# Altium PCB PROC106B.PcbDoc (part 3 of 8)
Units mil, origin at the board's own origin, x right, y up, seen from the top; angles counter-clockwise.
Board outline 4498.18 x 1060.53 mil, 8 copper layers (Top Layer, GND1, Sig1, PWR1, PWR2, Sig2, GND2, Bottom Layer), stack 69.602 mil thick; 439 components, 327 nets, 1548 pads, 843 vias.
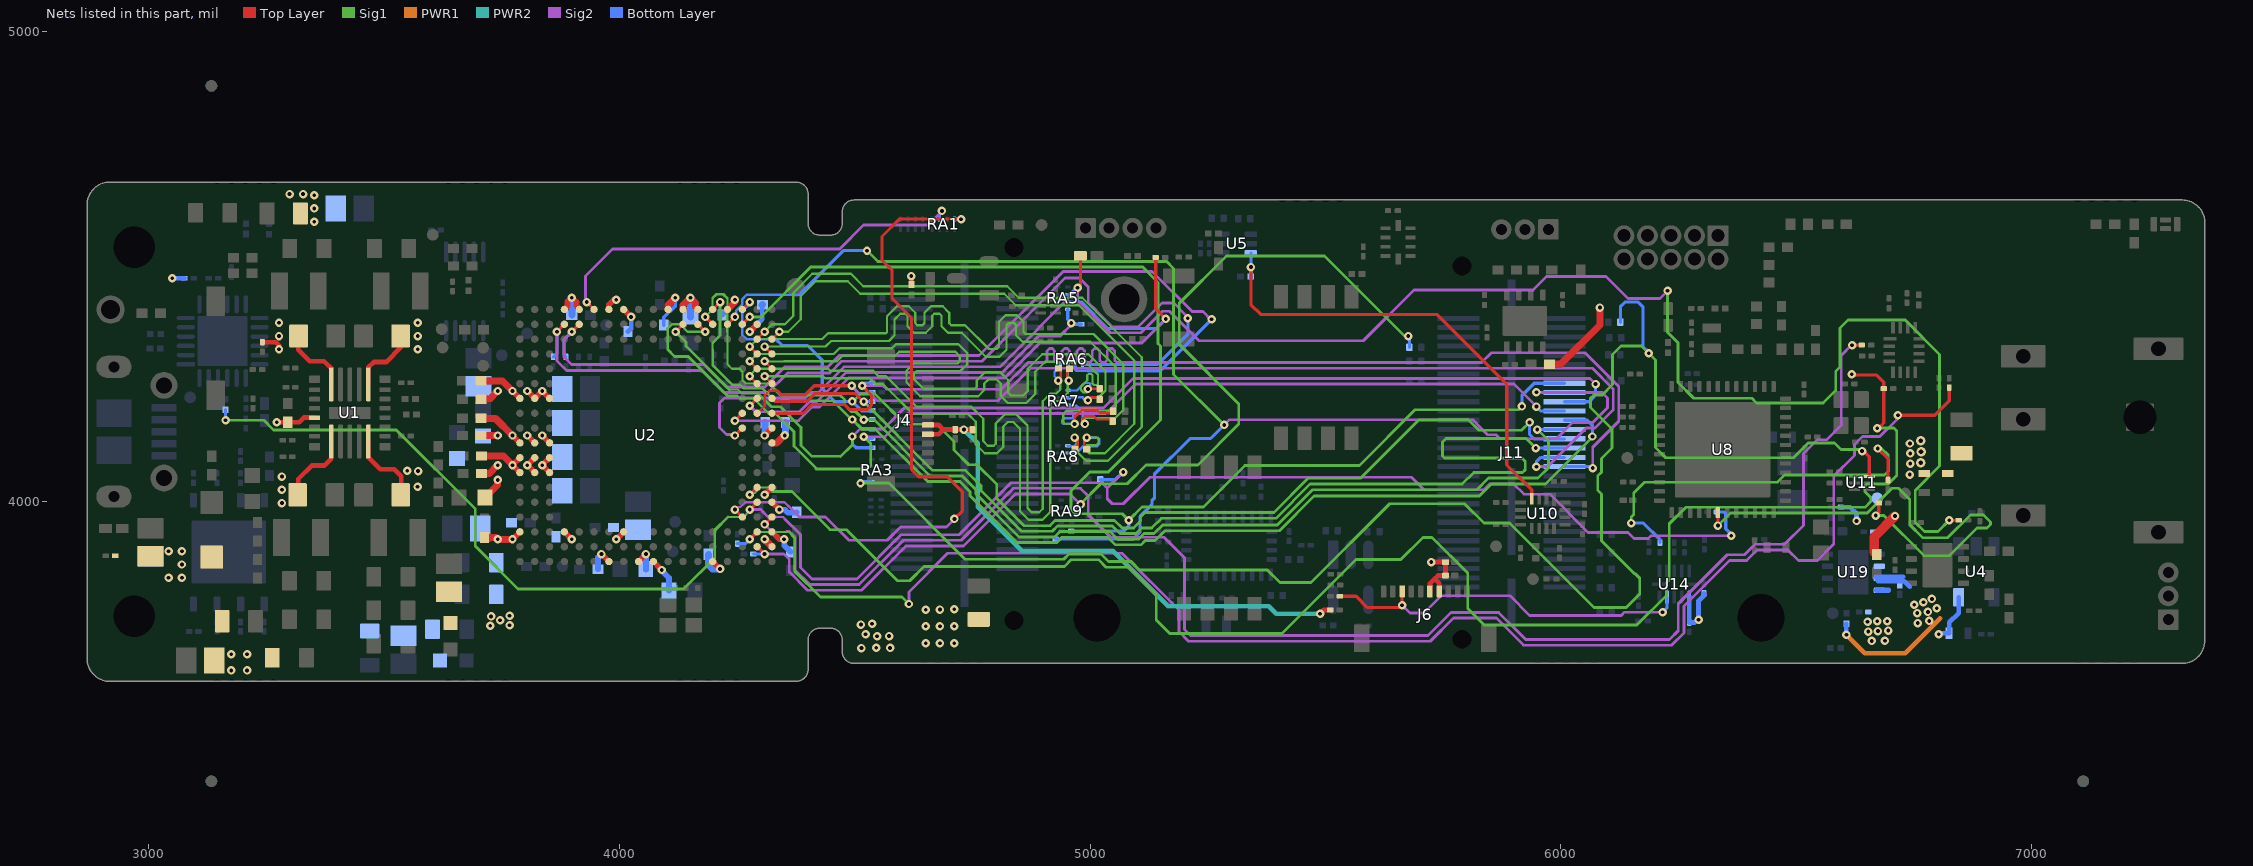
[diagram p9: the nets of this part, all layers, seen from the top]

## Part data (continued)
R52: library part CMP-0090496-1, "Res Thick Film 0201 1.96K Ohm 1% 1/20W 200ppm/C Molded SMD T/R", Digikey Part Number=P122807CT-ND, Manufacturer=Panasonic, Mouser Part Number=667-ERJ-1GNF1961C, Operating Temperature Range="-55°C to +125°C", Power_W=50mW, TempCo=200ppm/°C, Tolerance_%=1%, AEC Grade="Grade 1", AEC Qualified=Yes, ComponentLink1Description=Datasheet, ComponentLink1URL=https://industrial.panasonic.com/cdbs/www-data/pdf/RDA0000/AOA0000C304.pdf, DataSheet=https://industrial.panasonic.com/cdbs/www-data/pdf/RDA0000/AOA0000C304.pdf, Datasheet Path=datasheets/Res-ERJ-1GNF1961C.pdf, Digikey Description="RES SMD 1.96K OHM 1% 1/20W 0201", helpURL=https://upverter.com/upn/revision/9b6026d5b91f25ae/, Lead Free=Yes, Mouser Description="Res Thick Film 0201 1.96K Ohm 1% 0.05W ±200ppm/°C Molded SMD T/R", PackageReference=0201, Part Number=ERJ-1GNF1961C, PartNumber=ERJ-1GNF1961C, Res_ohm=1.96k, RoHS=TRUE, Series=ERJ, SizeZ_mm=0.26mm, Supplier 1=Digikey, Supplier 2=Mouser, Supplier Part Number 1=P122807CT-ND, Supplier Part Number 2=667-ERJ-1GNF1961C, Technology="Thick Film", VDC_V=25V
R53 R54 R55 R56: library part CMP-0026363-2, "RES, 3.83, 1%, 0.063 W, AEC-Q200 Grade 0, 0402", Manufacturer=Vishay-Dale, Power_W=63mW, Supplier Part Number 1=541-3.83LLCT-ND, TempCo="100 ppm/C", Tolerance_%=1%, Value2=0.063W, Value_Code=3R83, ValueDisplayed=3.83, AEC Category=Q200, AEC Grade=0, AEC Qualified=Y, ComponentLink1Description="Datasheet link", ComponentLink1URL=http://www.vishay.com/docs/20035/dcrcwe3.pdf, CompType=Resistor, EIA_Code=E96, MountType=SMT, PackageReference=0402, PartNumber=CRCW04023R83FKED, Res_ohm=3.83, RoHS=E, SizeArea_mm2=0.5, SizeX_mm=1, SizeY_mm=0.5, SizeZ_mm=0.6, Supplier 1=Digi-Key, Supplier 2=Mouser, Supplier Part Number 2=71-CRCW04023R83FKED, Technology="Thick Film", Value1=1%, VDC_V=50V
R79 R180 R181: library part CMP-0087184-1, "RESISTOR, 0201, 0.05W, 1%, 4K7", Manufacturer="Panasonic Electronic Components", Power_W=50mW, TempCo=200ppm/°C, Tolerance_%=1%, AEC Grade="Grade 1", AEC Qualified=Yes, ComponentLink1Description=Datasheet, ComponentLink1URL=https://industrial.panasonic.com/cdbs/www-data/pdf/RDA0000/AOA0000C304.pdf, PackageReference=0201, PartNumber=ERJ-1GNF4701C, Res_ohm=4.7k, RoHS=TRUE, SizeZ_mm=0.26mm, Symbol Name=SYM-ERJ-1GNF4701C, Technology="Thick Film", VDC_V=25V
R114 R117 R119 R126: library part CMP-0026491-2, "RES, 61.9, 1%, 0.063 W, AEC-Q200 Grade 0, 0402", Manufacturer=Vishay-Dale, Power_W=63mW, Supplier Part Number 1=541-61.9LCT-ND, TempCo="100 ppm/C", Tolerance_%=1%, Value2=0.063W, Value_Code=61R9, ValueDisplayed=61.9, AEC Category=Q200, AEC Grade=0, AEC Qualified=Y, ComponentLink1Description="Datasheet link", ComponentLink1URL=http://www.vishay.com/docs/20035/dcrcwe3.pdf, CompType=Resistor, EIA_Code=E96, MountType=SMT, PackageReference=0402, PartNumber=CRCW040261R9FKED, Res_ohm=61.9, RoHS=E, SizeArea_mm2=0.5, SizeX_mm=1, SizeY_mm=0.5, SizeZ_mm=0.6, Supplier 1=Digi-Key, Supplier 2=Newark, Supplier 3=Mouser, Supplier Part Number 2=52K7198, Supplier Part Number 3=71-CRCW0402-61.9-E3, Technology="Thick Film", Value1=1%, VDC_V=50V
R158 R170 R172: library part CMP-0090499-1, "Res Thick Film 0201 82.5K Ohm 1% 1/20W ±200ppm/°C Molded SMD SMD T/R", Digikey Part Number=P123175CT-ND, Manufacturer=Panasonic, Mouser Part Number=667-ERJ-1GNF8252C, Operating Temperature Range="-55°C to +125°C", Power_W=50mW, TempCo=200ppm/°C, Tolerance_%=1%, AEC Grade="Grade 1", AEC Qualified=Yes, ComponentLink1Description=Datasheet, ComponentLink1URL=https://industrial.panasonic.com/cdbs/www-data/pdf/RDA0000/AOA0000C304.pdf, DataSheet=https://industrial.panasonic.com/cdbs/www-data/pdf/RDA0000/AOA0000C304.pdf, Datasheet Path=datasheets/Res-ERJ-1GNF8252C.pdf, Digikey Description="RES SMD 82.5K OHM 1% 1/20W 0201", helpURL=https://upverter.com/upn/revision/4f118edabd8df0f2/, Lead Free=Yes, Mouser Description="Res Thick Film 0201 82.5K Ohm 1% 1/20W ±200ppm/°C Molded SMD SMD T/R", PackageReference=0201, Part Number=ERJ-1GNF8252C, PartNumber=ERJ-1GNF8252C, Res_ohm=82.5k, RoHS=TRUE, Series=ERJ, SizeZ_mm=0.26mm, Supplier 1=Digikey, Supplier 2=Mouser, Supplier Part Number 1=P123175CT-ND, Supplier Part Number 2=667-ERJ-1GNF8252C, Technology="Thick Film", VDC_V=25V
R159 R171: library part CMP-0090503-1, "Res Thick Film 0201 750 Ohm 5% 0.05W(1/20W) ±200ppm/C Pad SMD Automotive T/R", Digikey Part Number=P123367CT-ND, Manufacturer="Panasonic Electronic Components", Mouser Part Number=667-ERJ-1GNJ751C, Operating Temperature Range="-55°C to +125°C", Power_W=50mW, TempCo=200ppm/°C, Tolerance_%=5%, AEC Grade="Grade 1", AEC Qualified=Yes, ComponentLink1Description=Datasheet, ComponentLink1URL=https://industrial.panasonic.com/cdbs/www-data/pdf/RDA0000/AOA0000C301.pdf, DataSheet=https://industrial.panasonic.com/cdbs/www-data/pdf/RDA0000/AOA0000C301.pdf, Datasheet Path=datasheets/Res-ERJ-1GNJ751C.pdf, Digikey Description="RES SMD 750 OHM 5% 1/20W 0201", helpURL=https://upverter.com/upn/revision/8f71e8ce5b6d0ac2/, Lead Free=Yes, Mouser Description="Thick Film Resistors - SMD 0201 750ohm 5% HalogenFree AEC-Q200", PackageReference=0201, Part Number=ERJ-1GNJ751C, PartNumber=ERJ-1GNJ751C, Res_ohm=750, RoHS=TRUE, Series=ERJ, SizeZ_mm=0.26mm, Supplier 1=Digikey, Supplier 2=Mouser, Supplier Part Number 1=P123367CT-ND, Supplier Part Number 2=667-ERJ-1GNJ751C, Technology="Thick Film", VDC_V=25V
R174 R176: library part CMP-0090498-1, "Res Thick Film 0201 7.87K Ohm 1% 1/20W ±200ppm/°C Molded SMD SMD T/R", Digikey Part Number=P123160CT-ND, Manufacturer=Panasonic, Mouser Part Number=667-ERJ-1GNF7871C, Operating Temperature Range="-55°C to +125°C", Power_W=50mW, TempCo=200ppm/°C, Tolerance_%=1%, AEC Grade="Grade 1", AEC Qualified=Yes, ComponentLink1Description=Datasheet, ComponentLink1URL=https://industrial.panasonic.com/cdbs/www-data/pdf/RDA0000/AOA0000C304.pdf, DataSheet=https://industrial.panasonic.com/cdbs/www-data/pdf/RDA0000/AOA0000C304.pdf, Datasheet Path=datasheets/Res-ERJ-1GNF7871C.pdf, Digikey Description="RES SMD 7.87K OHM 1% 1/20W 0201", helpURL=https://upverter.com/upn/revision/e5a66236bcc50cef/, Lead Free=Yes, Mouser Description="Thick Film Resistors - SMD 0201 7.87Kohm 1% HalogenFree AEC-Q200", PackageReference=0201, Part Number=ERJ-1GNF7871C, PartNumber=ERJ-1GNF7871C, Res_ohm=7.87k, RoHS=TRUE, Series=ERJ, SizeZ_mm=0.26mm, Supplier 1=Digikey, Supplier 2=Mouser, Supplier Part Number 1=P123160CT-ND, Supplier Part Number 2=667-ERJ-1GNF7871C, Technology="Thick Film", VDC_V=25V
RA1 RA2 RA3 RA4 RA5 RA6 RA7 RA8 RA9: library part CMP-0087186-1, "RES ARRAY 4 RES ZERO OHM 0502", Manufacturer="Panasonic Electronic Components", Power_W=100mW, TempCo=-200/+600ppm/°C, Tolerance_%=5%, AEC Qualified=No, ComponentLink1Description=Datasheet, ComponentLink1URL=https://industrial.panasonic.com/cdbs/www-data/pdf/AOC0000/AOC0000C14.pdf, PackageReference=0502, PartNumber=EXB-18VR000X, Res_ohm=0, RoHS=TRUE, SizeZ_mm=0.45mm, Symbol Name=SYM-EXB-18VR000X, Technology="Thick Film", VDC_V=12.5V
S1 S2: library part CMP-0002128-2, "Switch, Slide, SPST 4 poles, SMT", CurrentRating_mA=25A, Manufacturer="CTS Electrocomponents", Supplier Part Number 1=CT2184LPST-ND, Circuit=SPST, ComponentLink1Description="Datasheet URL", ComponentLink1URL=http://www.ctscorp.com/components/Datasheets/218.pdf, CompType=Switch, LatestRevisionDate=2017-03-09, MountType=SMT, Orientation=Horizontal, PackageReference="SW, SMT Half Pitch 4SPST, 5.8x2.7x6.25 mm", PartNumber=218-4LPST, PositionCount=4, Publisher="Texas Instruments", RoHS=Y, Supplier 1=Digi-Key, Supplier 2=Mouser, Supplier Part Number 2=774-2184LPST, SwitchFunction=Off-On, VDC_V=24V
S3: library part CMP-0087181-1, "SWITCH SLIDE DIP SPST 100MA 6V", Manufacturer="Nidec Copal Electronics", Circuit=SPST, ComponentLink1Description=Datasheet, ComponentLink1URL=https://www.nidec-copal-electronics.com/e/catalog/switch/chs.pdf, MountType="Surface Mount", PackageReference=SMT_SW_5MM4_2MM5, PartNumber=CHS-01TA, PositionCount=1, RoHS=TRUE, SizeZ_mm=2.5mm, Symbol Name=SYM-CHS-01TA, VDC_V=6V
SW2 SW3: library part CMP-0002150-2, "SWITCH TACTILE SPST-NO 0.05A 12V", CurrentRating_mA=50A, Manufacturer="Omron Electronic Components", Supplier Part Number 1=SW1020CT-ND, Circuit=SPST-NO, ComponentLink1Description="Datasheet URL", ComponentLink1URL=http://www.components.omron.com/components/web/PDFLIB.nsf/0/2DD3893C7DD33E9E862572900079E9D6/$file/B3U_1110.pdf, CompType=Switch, LatestRevisionDate=2017-03-09, MountType=SMT, Orientation="Top Actuated", PackageReference=3x1.6x2.5mm, PartNumber=B3U-1000P, PositionCount=1, Publisher="Texas Instruments", RoHS=Y, Supplier 1=Digi-Key, Supplier 2=Newark, Supplier 3=Mouser, Supplier Part Number 2=34M5295, Supplier Part Number 3=653-B3U-1000P, SwitchFunction=Off-Mom, VDC_V=12V
TP2 TP3 TP4 TP5 TP6 TP7 TP8 TP9 TP10 TP12 TP13 TP14 TP15 TP16 TP17 TP18 TP19 TP26 TP27 TP46: library part CMP-0078143-3, "TEST POINT.  No entry in BOM.", Manufacturer=N/A, CompType=Testpoint, PackageReference=N/A, PartNumber=N/A
TP11: library part CMP-0003825-1, "1mm Test Point, SMT", Manufacturer=Any, ComponentLink1Description="Datasheet Link", ComponentLink1URL=https://sps06.itg.ti.com/sites/KMS/crossdivteams/altium/docs/ComponentDatasheets/PROBE_TEST_POINT.png, CompType="Test Point", Key=TP_SM_1MM, LatestRevisionDate=2017-03-09, MountType=SMT, PackageReference="1mm Test Point, SMT", PartNumber=TP_SM_1MM, Publisher="Texas Instruments"
TP20: library part CMP-0086474-1, "PC Test Point, Loop Brass, Tin Plating 0.047\" (1.19mm) Hole Diameter Mounting Type", Manufacturer="Keystone Electronics", ComponentLink1Description=Datasheet, ComponentLink1URL=https://www.keyelco.com/product-pdf.cfm?p=1307, ContactFinish=Tin, PackageReference=HDR1, PartNumber=4953, PinCount=1, RoHS=TRUE, Symbol Name=SYM-4953
U1: library part CMP-0079120-2, "4-A + 2.5-A + Two 1.5-A Buck Converters With Integrated Switches, RNF0026C (VQFN-HR-26)", Alternate Manufacturer="Texas Instruments", Alternate PartNumber=LP87524JRNFTQ1, AEC Category=Q200, AEC Qualified=Y, ComponentLink1Description="Datasheet Link", ComponentLink1URL=http://www.ti.com/lit/ds/symlink/lp87524-q1.pdf, ComponentLink2Description="Product Folder", ComponentLink2URL=http://www.ti.com/product/lp87524-q1, CompType=IC, Manufacturer="Texas Instruments", MountType=SMT, PackageDescription=VQFN-HR-26, PackageReference=RNF0026C, PartNumber=LP87524JRNFRQ1, RoHS=Y, SizeArea_mm2=18, SizeAreaWB_mm2=27.5, SizeX_mm=4, SizeY_mm=4.5, SizeZ_mm=0.9
U2: library part CMP-0090288-2, Manufacturer="Texas Instruments", Operating Temperature Range=to, AEC Category=Q200, ComponentLink1Description="Datasheet Link", ComponentLink1URL=http://www.ti.com/lit/ds/symlink/GPN.pdf, ComponentLink2Description="Product Folder", ComponentLink2URL=http://www.ti.com/product/GPN, ComponentLink3Description="Online Datasheet", ComponentLink3URL=http://www.ti.com/product/GPN/datasheet, CompType=IC, Datasheet Path=datasheets/IC-AWR1843AoPBGALP.pdf, helpURL=https://upverter.com/upn/revision/1d9228af6d9453a7/, PackageReference=FCBGA180, Part Number=AWR1843AoPBGALP, PartNumber=AWR1843AoPBGALP, RoHS=UNKNOWN, SizeZ_mm=0.965mm, Standoff Height=0.31mm
U3: library part CMP-0087172-1, "I/O Controller Interface IC USB to Dual UART bridge", Manufacturer="Silicon Labs", ComponentLink1Description=Datasheet, ComponentLink1URL=https://www.silabs.com/documents/public/data-sheets/CP2105.pdf, PackageReference=QFN24-EP, PartNumber=CP2105-F01-GMR, RoHS=TRUE, SizeZ_mm=0.8mm, Symbol Name=SYM-CP2105-F01-GMR
U4: library part CMP-0035419-1, "Single Output High PSRR LDO, 200 mA, Fixed 3 V Output, 2.7 to 5.5 V Input, 5-pin SOT-23 (DBV), -40 to 85 degC, Green (RoHS & no Sb/Br)", Manufacturer="Texas Instruments", Rating=Catalog, Accuracy(%)=2, Code_JEDEC=MO-178, ComponentLink1Description="Manufacturer URL", ComponentLink1URL=http://www.ti.com/, ComponentLink2Description=Datasheet, ComponentLink2URL=http://www.ti.com/general/docs/lit/getliterature.tsp?genericPartNumber=TPS79330&fileType=pdf, ComponentLink3Description="Package Specification", ComponentLink3URL=http://www.ti.com/litv/pdf/mpds018i, DatasheetVersion=SLVS348K, Eco-Plan="Green (RoHS & no Sb/Br)", Fixed Output Options(V)=3, Iout(Max)(A)=0.2, Iq(Typ)(mA)=0.2, Mounting Technology="Surface Mount", PackageDescription="5-Pin Plastic Small Outline, Body 1.60 Ã— 2.90 mm, Pitch 0.95 mm", PackageReference=DBV0005A, PackageVersion=4073253-4/K, PartNumber=TPS79330DBVR, SubFamily="Single Channel LDO", Vdo(Typ)(mV)=112, Vin(Max)(V)=5.5, Vin(Min)(V)=2.7, Vout Adj(Max)(V)=3, Vout Adj(Min)(V)=3
U5: library part CMP-0067398-2, "Automotive Grade, 1.4V-Capable +/-0.5degC Temperature Sensor with Alert Function and I2C/SMBus, DRL0006A (SOT-OTHER-6)", Alternate Manufacturer="Texas Instruments", ComponentLink1Description="Datasheet Link", ComponentLink1URL=http://www.ti.com/lit/ds/symlink/tmp112-q1.pdf, CompType=IC, LatestRevisionDate=2017-06-09, Manufacturer="Texas Instruments", MountType=SMT, PackageDescription=SOT-OTHER-6, PackageReference=DRL0006A, PartNumber=TMP112AQDRLRQ1, Publisher="Texas Instruments", RoHS=Y, SizeArea_mm2=2.56, SizeAreaWB_mm2=6.76, SizeX_mm=1.6, SizeY_mm=1.6, SizeZ_mm=0.6, U/M=EA
U6: library part CMP-0087170-1, "8KB I2C SER EEPROM TSOT 23", Manufacturer="ON Semiconductor", ComponentLink1Description=Datasheet, ComponentLink1URL=https://www.onsemi.com/pub/Collateral/CAT24C01-D.PDF, PackageReference=TSOT-23-5, PartNumber=CAT24C08TDI-GT3, RoHS=TRUE, SizeZ_mm=1mm, Symbol Name=SYM-CAT24C08TDI-GT3
U7: library part CMP-0087171-1, "IMU ACCEL/GYRO/MAG I2C 32BIT", Manufacturer="Hillcrest Laboratories, Inc.", ComponentLink1Description=Datasheet, ComponentLink1URL=https://www.hillcrestlabs.com/download/5a747b8d566d073a5d000536, PackageReference=LGA28, PartNumber=BNO085, RoHS=TRUE, SizeZ_mm=1.18mm, Symbol Name=SYM-BNO085
U8: library part CMP-0083675-2, "SimpleLink(TM) Bluetooth(R) 5 low energy Wireless MCU, RGZ0048A (VQFN-48)", Alternate Manufacturer="Texas Instruments", Alternate PartNumber=CC2642R1FRGZT, Operating Temperature Range="-40 to 85 C", Rating=#N/A, AEC Category=Q200, AEC Qualified=N, ComponentLink1Description="Datasheet Link", ComponentLink1URL=http://www.ti.com/lit/ds/symlink/cc2642r.pdf, ComponentLink2Description="Product Folder", ComponentLink2URL=http://www.ti.com/product/cc2642r, ComponentLink3Description="Online Datasheet", ComponentLink3URL=http://www.ti.com/product/cc2642r/datasheet, CompType=IC, Manufacturer="Texas Instruments", MountType=SMT, PackageDescription=VQFN-48, PackageReference=RGZ0048A, PartNumber=CC2642R1FRGZR, SizeArea_mm2=49, SizeAreaWB_mm2=81, SizeX_mm=7, SizeY_mm=7, SizeZ_mm=1
U9: library part CMP-0079267-1, "2.3V-3.6V, 16M-BIT [x 1/x 2/x 4] CMOS FLASH Memory, WSON-8", Manufacturer="Macronix International Co., LTD", Supplier Part Number 1=1092-1211-ND, ComponentLink1Description="Datasheet URL", ComponentLink1URL=http://www.macronix.com/Lists/Datasheet/Attachments/6724/MX25V1635F,%202.5V,%2016Mb,%20v1.4.pdf, MountType=SMT, PackageReference=WSON-8, PartNumber=MX25V1635FZNQ, RoHS=Y, SizeArea_mm2=30, SizeAreaWB_mm2=56, SizeX_mm=6, SizeY_mm=5, SizeZ_mm=0.8, Supplier 1=Digi-Key
U10: library part CMP-0043349-1, "Low-Voltage 8-Bit I2C and SMBus I/O Expander, 1.65 to 5.5 V, -40 to 85 degC, 16-pin UQFN (RSV), Green (RoHS & no Sb/Br)", 5V Tolerant I/O=Yes, Manufacturer="Texas Instruments", Max Frequency(kHz)=400, # of I/Os=8, Code_JEDEC=MO-288*, ComponentLink1Description=Datasheet, ComponentLink1URL=http://www.ti.com/general/docs/lit/getliterature.tsp?genericPartNumber=TCA6408A&fileType=pdf, ComponentLink2Description="Package Specification", ComponentLink2URL=http://www.ti.com/litv/pdf/mpqf115g, Configuration Registers=Yes, DatasheetVersion=SCPS192C, Eco-Plan="Green (RoHS & no Sb/Br)", fSCLK(Max)(MHz)=400, I2C Address="0100 00x", Interrupt Output=Yes, Low Power=Yes, Mounting Technology="Surface Mount", No. of Outputs=8, PackageDescription="16-Leads Plastic Quad Flatpack No-Lead, 2.6 x 1.8 x 0.5 mm Body, 0.4 mm Pitch", PackageReference=RSV0016A, PackageVersion="revD, Dec-2011", PartNumber=TCA6408ARSVR, Push-Pull I/O Type=Yes, Reset Input=Yes, SubFamily="I2C IO Expander", VCC(Max)(V)=5.5, VCC(Min)(V)=1.65, Vcc range(V)="1.65 to 5.5"
U11: library part CMP-0050992-5, "1-Channel, 2:1 Analog Switch, DSF0006A (X2SON-6)", F @ Nom Voltage(Max)(Mhz)=150, Generic Part Number=SN74LVC1G3157, ICC @ Nom Voltage(Max)(mA)=0.01, Manufacturer="Texas Instruments", Operating Temperature Range="-40 to 85 C", Rating=Catalog, tpd @ Nom Voltage(Max)(ns)=2,1.2,0.8,0.3, Voltage(Nom)(V)=1.8,2.5,3.3,5, 3-State Output=No, AEC Category=Q200, AEC Qualified=N, Bits(#)=1, Channels(#)=1, ComponentLink1Description="Datasheet Link", ComponentLink1URL=http://www.ti.com/lit/ds/symlink/sn74lvc1g3157.pdf, ComponentLink2Description="Product Folder", ComponentLink2URL=http://www.ti.com/product/sn74lvc1g3157, ComponentLink3Description="Online Datasheet", ComponentLink3URL=http://www.ti.com/product/sn74lvc1g3157/datasheet, CompType=IC, Input Type=CMOS/TTL, Logic=True, MountType=SMT, Mux Configuration=1:2, Output Drive (IOL/IOH)(Max)(mA)=32/-32, Output Type=CMOS, PackageDescription=X2SON-6, PackageReference=DSF0006A, PartNumber=SN74LVC1G3157DSFR, RoHS=Y, Schmitt Trigger=No, Switch Configuration=SPDT, Technology Family=LVC, VCC(Max)(V)=5.5, VCC(Min)(V)=1.65
U12 U17: library part CMP-0065183-3, "Automotive Fault Protected CAN Transceiver With Flexible Data-Rate, DRB0008F (VSON-8)", Alternate Manufacturer="Texas Instruments", Alternate PartNumber=TCAN1042HGVDRBTQ1, Operating Temperature Range="-55 to 125 C", Rating=Automotive, AEC Category=Q200, AEC Qualified=Y, ComponentLink1Description="Datasheet Link", ComponentLink1URL=http://www.ti.com/lit/ds/symlink/tcan1042hgv-q1.pdf, ComponentLink2Description="Product Folder", ComponentLink2URL=http://www.ti.com/product/tcan1042hgv-q1, ComponentLink3Description="Online Datasheet", ComponentLink3URL=http://www.ti.com/product/tcan1042hgv-q1/datasheet, CompType=IC, Manufacturer="Texas Instruments", MountType=SMT, PackageDescription=VSON-8, PackageReference=DRB0008F, PartNumber=TCAN1042HGVDRBRQ1, RoHS=Y, SizeArea_mm2=9.0, SizeAreaWB_mm2=16.0, SizeX_mm=3.0, SizeY_mm=3.0, SizeZ_mm=1.0
U13: library part CMP-0067415-1, "10-Ohm Quad SPDT Analog Switch, RSV0016A (UQFN-16)", Alternate Manufacturer="Texas Instruments", ComponentLink1Description="Datasheet Link", ComponentLink1URL=http://www.ti.com/lit/ds/symlink/ts3a5018.pdf, CompType=IC, Footprint Path 6=C:\AltiumLibraries\Footprints\TI\.PcbLib, LatestRevisionDate=2017-06-09, Manufacturer="Texas Instruments", MountType=SMT, PackageDescription=UQFN-16, PackageReference=RSV0016A, PartNumber=TS3A5018RSVR, Publisher="Texas Instruments", RoHS=Y, SizeArea_mm2=4.68, SizeAreaWB_mm2=10.08, SizeX_mm=1.8, SizeY_mm=2.6, SizeZ_mm=0.55, U/M=EA
U14: library part CMP-0860038-1, "Automotive 4-Bit Bidirectional Voltage-Level Translator with Auto Direction Sensing and +/-15kV ESD, RUT0012A (UQFN-12)", Alternate Manufacturer="Texas Instruments", Operating Temperature Range="-40 to 125 C", Rating=Automotive, AEC Category=Q200, AEC Qualified=Y, ComponentLink1Description="Datasheet Link", ComponentLink1URL=http://www.ti.com/lit/ds/symlink/txb0104-q1.pdf, ComponentLink2Description="Product Folder", ComponentLink2URL=http://www.ti.com/product/txb0104-q1, ComponentLink3Description="Online Datasheet", ComponentLink3URL=http://www.ti.com/product/txb0104-q1/datasheet, CompType=IC, Manufacturer="Texas Instruments", MountType=SMT, PackageDescription=UQFN-12, PackageReference=RUT0012A, PartNumber=TXB0104QRUTRQ1, RoHS=Y, SizeArea_mm2=3.4, SizeAreaWB_mm2=8.1, SizeX_mm=1.7, SizeY_mm=2, SizeZ_mm=0.55
U15: library part CMP-0074545-1, "Dual 10-ohm SPDT Analog Switch, RSE0010A (UQFN-10)", Alternate Manufacturer="Texas Instruments", ComponentLink1Description="Datasheet Link", ComponentLink1URL=http://www.ti.com/lit/ds/symlink/ts5a23157.pdf, CompType=IC, Footprint Path 6=C:\AltiumLibraries\Footprints\TI\.PcbLib, LatestRevisionDate=2017-06-09, Manufacturer="Texas Instruments", MountType=SMT, PackageDescription=UQFN-10, PackageReference=RSE0010A, PartNumber=TS5A23157RSER, Publisher="Texas Instruments", RoHS=Y, SizeArea_mm2=3.0, SizeAreaWB_mm2=7.5, SizeX_mm=1.5, SizeY_mm=2.0, SizeZ_mm=0.6, U/M=EA
U16: library part CMP-0087998-2, "AND Gate IC 1 Channel  6-SON (1x1)", Digikey Part Number=296-30121-1-ND, Manufacturer="Texas Instruments", Max Supply Voltage=5.5V, Min Supply Voltage=1.65V, Mouser Part Number=595-SN74LVC1G11DSFR, Operating Temperature Range="-40°C to +125°C", AEC Category=Q200, AEC Qualified=No, ComponentLink1Description=Datasheet, ComponentLink1URL=http://www.ti.com/lit/ds/symlink/sn74lvc1g11.pdf, ComponentLink2Description="Product Folder", ComponentLink2URL=http://www.ti.com/product/GPN, ComponentLink3Description="Online Datasheet", ComponentLink3URL=http://www.ti.com/product/GPN/datasheet, CompType=IC, DataSheet=http://www.ti.com/lit/ds/symlink/sn74lvc1g11.pdf, Datasheet Path=datasheets/IC_SN74LVC1G11DSFR.pdf, Digikey Description="IC GATE AND 1CH 3-INP 6SON", helpURL=https://upverter.com/upn/revision/721ddc34b28c671c/, Lead Free=Yes, Logic Function Desc=AND, Mouser Description="Logic Gates Sgl 3-Inp Pos-AND Gate", Number Of Inputs=3, Number Of Outputs=1, PackageReference=X2SON-6, Part Number=SN74LVC1G11DSFR, PartNumber=SN74LVC1G11DSFR, PositionCount=1, RoHS=TRUE, SizeZ_mm=0.4mm, Standoff Height=0mm, TaMax_C=+125°C, TaMin_C=-40°C, TJmax_C=+150°C
U18: library part CMP-0074341-1, "Automotive Catalog Dual 15-Ohm SPDT Analog Switch, DGS0010A (VSSOP-10)", Alternate Manufacturer="Texas Instruments", ComponentLink1Description="Datasheet Link", ComponentLink1URL=http://www.ti.com/lit/ds/symlink/ts5a23157-q1.pdf, CompType=IC, Footprint Path 6=C:\AltiumLibraries\Footprints\TI\.PcbLib, LatestRevisionDate=2017-06-09, Manufacturer="Texas Instruments", MountType=SMT, PackageDescription=VSSOP-10, PackageReference=DGS0010A, PartNumber=TS5A23157QDGSRQ1, Publisher="Texas Instruments", RoHS=Y, SizeArea_mm2=14.7, SizeAreaWB_mm2=23.6, SizeX_mm=4.9, SizeY_mm=3.0, SizeZ_mm=1.1, U/M=EA
U19: library part CMP-0043358-3, "Dual In / Single Out Autoswitching Power Mux, 2.8 to 5.5 V, -40 to 85 degC, 8-pin SON (DRB), Green (RoHS & no Sb/Br)", IN1, IN2 Input Voltage(Max)(V)=5.5, IN1, IN2 Input Voltage(Min)(V)=2.8, IN1 Output Current(Max)(A)=1.25, Manufacturer="Texas Instruments", AEC Category=Q200, AEC Qualified=N, ComponentLink1Description=Datasheet, ComponentLink1URL=http://www.ti.com/general/docs/lit/getliterature.tsp?genericPartNumber=TPS2115A&fileType=pdf, CompType=IC, DatasheetVersion=SBVS044F, Eco-Plan="Green (RoHS & no Sb/Br)", IN1 rDS(on)(Typ)(mOhm)=84, IN2 Output Current(Max)(A)=1.25, IN2 rDS(on)(Typ)(Ohms)=0.084, MountType=SMT, Number Of Inputs=2, PackageDescription=VSON-8, PackageReference=DRB0008B, PackageVersion="revK, Jun-2012", PartNumber=TPS2115ADRBR, RoHS=Y, SizeArea_mm2=9.0, SizeAreaWB_mm2=16.0, SizeX_mm=3.0, SizeY_mm=3.0, SizeZ_mm=1.0, SubFamily="Power Multiplexer (MUX)"
Y1: library part CMP-0090505-1, "40MHz ±10ppm Crystal 8pF 50 Ohms 4-SMD, No Lead", Digikey Part Number=FW4000044QDICT-ND, Frequency_Fixed=40MHz, Frequency Stability=50ppm, Frequency Tolerance=10ppm, Load Capacitance=8pF, Manufacturer=Diodes, Mouser Part Number=729-FW4000044Q, Operating Temperature Range="-40°C to +125°C", AEC Grade="Grade 1", AEC Qualified=Yes, ComponentLink1Description=Datasheet, ComponentLink1URL=https://www.diodes.com/assets/Datasheets/FW.pdf, DataSheet=https://www.diodes.com/assets/Datasheets/FW.pdf, Datasheet Path=datasheets/Crys-FW4000044Q.pdf, Digikey Description="CRYSTAL CERAMIC SEAM2016R 3K", ESR=50, helpURL=https://upverter.com/upn/revision/d451487a111b898c/, Lead Free=Yes, PackageReference=4-SMD-2.0x1.6mm, Part Number=FW4000044Q, PartNumber=FW4000044Q, RoHS=TRUE, Series=FW, SizeZ_mm=0.55mm, Supplier 1=Digikey, Supplier 2=Mouser, Supplier Part Number 1=FW4000044QDICT-ND, Supplier Part Number 2=729-FW4000044Q, Tolerance_%=10ppm
Y2: library part CMP-0088076-1, "48MHz ±20ppm Crystal 7pF 50 Ohms 4-SMD, No Lead", Frequency_Fixed=48MHz, Frequency Tolerance=20ppm, Load Capacitance=7pF, Manufacturer=Kyocera, AEC Qualified=No, ComponentLink1Description=Datasheet, ComponentLink1URL=https://global.kyocera.com/prdct/electro/product/pdf/cx2016db_e.pdf, PackageReference=SMD4, PartNumber=CX2016DB48000C0WPLA2, RoHS=TRUE, SizeZ_mm=0.45mm, Symbol Name=SYM-CX2016DB48000C0WPLA2
Y3 Y4: library part CMP-0088006-1, "CRYSTAL 32.768KHZ 4PF SMD", Frequency_Fixed=32.768kHz, Frequency Tolerance=20ppm, Load Capacitance=4pF, Manufacturer="Abracon LLC", AEC Qualified=No, ComponentLink1Description=Datasheet, ComponentLink1URL=https://abracon.com/Resonators/ABS05W.pdf, PackageReference=XTAL_SMT_1MM6_1MM0, PartNumber=ABS05W-32.768KHZ-D-2-T, RoHS=TRUE, SizeZ_mm=0.5mm, Symbol Name=SYM-ABS05W-32.768KHZ-D-2-T
ZZ1: library part CMP-0003616-3, ClassName=AssemblyNote, CompType=AssemblyNote, Key=AssemblyNoteLabel, LatestRevisionDate=2017-03-09, Publisher="Texas Instruments"
ZZ2: library part CMP-0077236-1, ClassName=AssemblyNote, CompType=AssemblyNote, Key=AssemblyNote, LatestRevisionDate=2017-08-10, Publisher="Texas Instruments"
ZZ3: library part CMP-0077237-1, ClassName=AssemblyNote, CompType=AssemblyNote, Key=AssemblyNote, LatestRevisionDate=2017-08-10, Publisher="Texas Instruments"
ZZ4 ZZ5.2: library part CMP-0077238-1, ClassName=AssemblyNote, CompType=AssemblyNote, Key=AssemblyNote, LatestRevisionDate=2017-08-10, Publisher="Texas Instruments"
ZZ5.1: library part CMP-0077238-1, "Cut the thermal pad(Part Number#GPVOUS-0.125-AC-0816) for the shape and size of the inner surface of the heatsink(Part Number#160018120021) and paste it on the inner surface of the heatsink;", ClassName=AssemblyNote, CompType=AssemblyNote, Key=AssemblyNote, LatestRevisionDate=2017-08-10, Publisher="Texas Instruments"

## Free pads (board coordinates)
  round 19 hole 24 unplated: ""(3145.41,4687.43) ""(3145.41,3610.9) ""(3175.41,4687.43) ""(3175.41,3610.9) ""(3205.41,4687.43) ""(3205.41,3610.9) ""(3235.41,4687.43) ""(3235.41,3610.9) ""(3265.41,4687.43) ""(3265.41,3610.9) ""(3637.19,4687.43) ""(3637.19,3610.9) ""(3667.19,4687.43) ""(3667.19,3610.9) ""(3697.19,4687.43) ""(3697.19,3610.9) ""(3727.19,4687.43) ""(3727.19,3610.9) ""(3757.19,4687.43) ""(3757.19,3610.9) ""(4128.97,3610.9) ""(4128.97,4687.43) ""(4158.97,3610.9) ""(4158.97,4687.43) ""(4188.97,4687.43) ""(4188.97,3610.9) ""(4218.97,3610.9) ""(4218.97,4687.43) ""(4248.97,3610.9) ""(4248.97,4687.43) ""(4646.5,3648.05) ""(4676.5,3648.05) ""(4706.5,3648.05) ""(4736.5,3648.05) ""(4766.5,3648.05) ""(5409.11,4649.48) ""(5439.11,4649.48) ""(5469.11,4649.48) ""(5499.11,4649.48) ""(5529.11,4649.48) ""(5950.52,3648.05) ""(5980.52,3648.05) ""(6010.52,3648.05) ""(6040.52,3648.05) ""(6070.52,3648.05) ""(7097.6,3648.05) ""(7097.68,4649.43) ""(7127.6,3648.05) ""(7127.68,4649.43) ""(7157.6,3648.05) ""(7157.68,4649.43) ""(7187.6,3648.05) ""(7187.68,4649.43) ""(7217.6,3648.05) ""(7217.68,4649.43)

## Via types
v1: diameter 18, hole 8, Top Layer to Bottom Layer, tented both sides, 804 vias
v2: diameter 19.68, hole 7.87, Top Layer to Bottom Layer, tented both sides, 34 vias
v3: diameter 20, hole 10, Top Layer to Bottom Layer, tented both sides, 3 vias
v4: diameter 18, hole 8, Top Layer to Bottom Layer, 1 vias
v5: diameter 17, hole 7.87, Top Layer to Bottom Layer, 1 vias

## Nets (pads, with @x,y where several pads share a name; then routed paths per layer and width w, separated by ;. In a path a pad name is that pad's centre, name@x,y a point inside that pad or via, vN(x,y) a via of type N, cw(c..) or ccw(c..) an arc to the next point about the centre after c; other vN are vias at no path point)
3V0: C7.1 C15.1 C16.1 C115.1 C116.1 C118.1 J4.6 J4.7 J6.6 J6.7 R79.2 R181.2 U4.5 U14.1 | length 1553.4
  Top Layer w10: J4.7@4655.33,4143.81 4678.32,4143.81 4688.3,4153.79 ; J4.6@4655.33,4163.49 4678.59,4163.49 4688.3,4153.79 ; C15.1@4750.21,4153.69 4750.12,4153.79 v1(4731.8,4153.79) C16.1@4713.47,4153.79 4688.3,4153.79 ; v1(5488.42,3762.4) 5496.67,3770.65 R181.2@5510.03,3770.65 ; J6.6@5721.75,3810.06 5721.75,3826.54 5731.98,3836.77 ; v1@5724.8,3872.26 5724.87,3872.2 C115.1@5754.85,3872.2 C116.1@5754.85,3843.74 5738.95,3843.74 5731.98,3836.77 ; J6.7@5741.43,3807.06 5741.43,3827.32 5731.98,3836.77
  PWR2 w10: v1(4731.8,4153.79) 4761,4124.58 4761,3989.4 4854.25,3896.15 5048.17,3896.15 5165.74,3778.57 5379.01,3778.57 5395.18,3762.4 v1(5488.42,3762.4)
  Bottom Layer w10: U14.1@6272.54,3799.77 6272.54,3764.35 6272.5,3764.32 C118.1@6272.5,3743.88 6284.34,3743.88 6292.44,3751.98 6292.44,3789.79 6304.11,3801.46 R79.2@6304.11,3805.64 ; v1(6802.79,3718.79) 6804.79,3720.79 C7.1@6824.78,3720.79 6824.78,3743.97 6844.78,3763.97 U4.5@6844.78,3797.49
  other v1: 6292.44,3749.79 5724.6,3872.26
5V_HD_IN: C128.1 L16.2 R20.1 U19.8 | length 78.8
  Bottom Layer w10: R20.1@6594.7,3988.94 6614.05,3988.94 6628.05,3974.95 v1(6628.05,3959.58)
  Bottom Layer w12: U19.8@6671.07,3812.08 6695.37,3812.08
  other v1: 4650.94,3699.61 4681.04,3699.61 4711.61,3699.61 6660.22,3704.68 6688.14,3705.36 6652.66,3724.54 6673.29,3725.69 6695.37,3726.86 4650.94,3735.76 4681.04,3735.76 4711.61,3735.76 6651.3,3745.4 6671.76,3746.63 6693.22,3746.68 4650.93,3770.89 4681.04,3771.4 4711.61,3772.13
5V_IN: C1.2 C4.1 C30.1 C50.1 C51.1 C52.1 C53.1 C129.1 D1.1 FL3.2 FL12.2 R27.1 R39.1 R50.2 R64.1 R107.1 U1.9 U1.13 U1.18 U1.22 U1.26 U19.7 | length 1553.7
  Top Layer w10: R50.2@3241.63,4339.44 3270.32,4339.44 3277.02,4332.74 v1@3277.02,4326.81 ; v1(3272.33,4169.32) C30.1@3295.87,4169.32 3319.81,4169.32 3329.65,4179.16 U1.18@3352.68,4179.16 ; C50.1@3318.11,4009.52 3318.11,4048.7 3346.62,4077.21 3373.07,4077.21 3388.04,4092.18 ; C52.1@3318.11,4368.48 3318.11,4323.58 3342.64,4299.04 3372.63,4299.04 3388.11,4283.56 U1.13@3388.11,4249.63 ; 3388.11,4092.18 U1.22@3388.11,4128.37 ; U1.26@3466.85,4128.37 3466.85,4094.45 3492.01,4069.29 3521.99,4069.29 3536.85,4054.43 C51.1@3536.85,4009.52 ; U1.9@3466.85,4249.63 3466.85,4285.9 3478.07,4297.12 3504.66,4297.12 3536.85,4329.31 C53.1@3536.85,4368.48 ; v1(4620.27,4479.75) 4620.57,4479.46 R107.1@4620.57,4461.7
  Top Layer w15: FL12.2@5975.6,4292.41 5999,4292.41 6082.75,4376.16 v1(6082.75,4412.79)
  Top Layer w20: FL3.2@6670.79,3888.25 6665.81,3893.23 6665.81,3926.17 v5(6709.55,3969.91)
  PWR1 w10: v1(6606.39,3717.68) 6645.55,3678.52 6731.31,3678.52 6805.46,3752.67
  Bottom Layer w10: v1(3050.47,4475.15) R64.1@3076.13,4475.15 ; v1(6606.39,3717.68) R27.1@6606.39,3741.52 ; U19.7@6673.76,3836.69 6698.11,3836.69 6703.21,3831.6 ; 6711.81,3839.4 6710.11,3841.1 ; 6726.91,3841.1 6710.11,3841.1 ; 6740.73,3819.94 6729.08,3831.6 6703.21,3831.6 ; 6703.21,3831.6 6673.82,3831.6 6669.11,3840.2 6670.01,3841.1 6710.11,3841.1
  other v1: 4514.3,3689.55 4545.9,3690.22 4574.96,3689.89 4547.43,3714.8 4572.89,3715.13 4522.96,3718.74 4513.24,3739.55 4536.9,3741.13 6757.93,3742.77 6782.31,3747.33 6756.77,3763.83 6779.56,3766.42 6798.43,3774.05 6750.69,3781.76 6770.14,3787.01 6788.19,3794.02 3042.55,3838.89 3070.75,3838.89 3070.75,3867.09 3042.55,3895.28 3070.75,3895.28 3283.23,3997.47 3283.23,4025.66 3571.45,4032.48 3283.23,4053.86 3549.23,4066.35 3572.38,4065.53 3277.02,4324.15 3571.73,4324.15 3277.02,4352.35 3571.73,4352.35 3277.02,4380.54 3571.73,4380.54
5V_IN_B: C42.2 C122.1 C127.1 L15.2 TP4.1 U19.6
  other v1: 6741.2,4058 6741.81,4081.54 6741.81,4103 6741.32,4124.11
  other v3: 6764.6,4082.97 6765.01,4106.67 6764.46,4130
ALERT: R38.1 U5.3 U10.4 | length 1009.2
  Top Layer w6.7: v1(5341.5,4498.97) 5341.5,4418.98 5362.14,4398.33 5736.3,4398.33 5885.05,4249.58 5885.05,4078.41 5937.93,4025.53 U10.4@5937.93,4006.69
  Bottom Layer w6.7: R38.1@5341.5,4478.82 v1(5341.5,4498.97) U5.3@5341.5,4529.03 U5.3@5341.84,4528.69
AR_1P0_RF1: C75.2 C78.1 C79.1 C80.1 C81.1 C113.1 C124.2 L12.2 U2.J16 U2.J17 U2.J18 | length 184.7
  Top Layer w12: v1(3773.02,4141.13) U2.J18@3788.76,4125.38 ; v1(3804.51,4141.13) U2.J17@3820.26,4125.38 ; v1(3836.01,4141.13) U2.J16@3851.76,4125.38
  Top Layer w15: C80.1@3705.88,4141.13 v1(3741.52,4141.13) ; C81.1@3705.88,4177.66 3736.48,4177.66 v1(3773.02,4141.13)
  other v1: 3725.88,3737.02 3766.78,3737.9 3746.66,3748.61 3727.42,3756.7 3766.78,3758.45
AR_1P0_RF2: C70.1 C74.1 C82.1 C83.1 C84.1 C85.1 C111.2 C121.1 C131.2 L14.2 U2.G16 U2.G17 U2.G18 U2.H16 U2.H17 U2.H18 | length 297.2
  Top Layer w12: U2.G18@3788.76,4062.39 v1(3773.02,4078.14) U2.H18@3788.76,4093.88 ; U2.G17@3820.26,4062.39 v1(3804.51,4078.14) U2.H17@3820.26,4093.88 ; U2.G16@3851.76,4062.39 v1(3836.01,4078.14) U2.H16@3851.76,4093.88
  Top Layer w15: C84.1@3707.42,4060.46 3723.84,4060.46 v1(3741.52,4078.14) ; C85.1@3707.42,4097.51 3753.64,4097.51 v1(3773.02,4078.14) ; C74.1@3714.74,4009.15 3741.52,4035.93 v1(3741.52,4046.64)
AR_1P2: C76.1 C91.2 C92.2 C94.1 C95.1 C96.1 C97.1 C98.1 C103.1 L13.2 U2.A5 U2.C1 U2.E1 U2.J1 U2.V4 U2.V6 U2.V7 U2.V8 U2.V12 U2.V14 U2.V15 | length 667.8
  Top Layer w12: U2.V15@3883.25,4408.84 3890,4415.59 3890,4425.59 3899,4434.59 3909,4424.59 3909,4417 3914.75,4411.25 U2.V14@3914.75,4408.84 ; U2.V12@3977.74,4408.84 3977.74,4418.84 3988.49,4429.59 v1(3993.49,4429.59) ; U2.A5@4198.21,3873.41 v1(4213.96,3857.66) ; U2.C1@4324.2,3936.4 4339.94,3920.65 v1(4349.94,3920.65) ; U2.E1@4324.2,3999.4 4324.33,3999.4 v1(4340.08,3983.65)
  Top Layer w15: U2.V8@4103.72,4408.84 4103.72,4418.45 v1(4118.96,4433.68) ; U2.V7@4135.22,4408.84 4135.22,4417.93 v1(4150.97,4433.68) 4161.76,4422.88 4161.76,4413.8 U2.V6@4166.72,4408.84 ; U2.V4@4229.71,4408.84 4245.46,4424.59 v1(4245.46,4429.68) ; U2.J1@4324.2,4125.38 4334.2,4125.38 v1@4350.05,4141.24
  Bottom Layer w8: C96.1@4094.31,4375.82 4094.31,4392.25 4118.96,4416.91 v1(4118.96,4433.68)
  Bottom Layer w10: v1@3898.96,4434.55 v1@3899,4434.59 ; v1(4150.97,4433.68) v1@4150.97,4434.59
  Bottom Layer w12: C91.2@4218.02,4397.33 4245.46,4424.77 v1(4245.46,4429.68) ; v1(4340.08,3983.65) 4351.45,3983.65 4358.24,3976.86 4375.3,3976.86 C95.1@4376.53,3978.09 ; v1@4350,3920 4350,3908 C94.1@4364,3894
  Bottom Layer w15: C98.1@3898.96,4396.76 v1@3898.96,4434.55 ; C103.1@4150.97,4392.63 v1(4150.97,4433.68) ; C97.1@4188.97,3888.79 4189.39,3888.36 4189.39,3866.45 4198.18,3857.66 v1(4213.96,3857.66) ; v1@4350.05,4141.24 4352.69,4143.87 C92.2@4352.69,4168.77
  other v1: 4351.25,4141.24 3899,4433.68 3352.15,4595.26 3352.15,4623.45 3352.15,4651.65 3299.59,4653.99 3328.09,4653.99
AR_1V4_APLL: C90.1 U2.A10 | length 56.1
  Top Layer w12: U2.A10@4040.73,3873.41 v1(4056.48,3889.16)
  Bottom Layer w10: C90.1@4056.23,3855.43 C90.1@4056.48,3855.68
  Bottom Layer w12: C90.1@4056.48,3855.68 v1(4056.48,3889.16)
AR_1V4_SYNTH: C89.1 U2.A9 | length 72
  Top Layer w12: U2.A9@4072.23,3873.41 v1@4087.98,3857.66
  Bottom Layer w12: v1(4090.2,3855.43) 4090.2,3853.81 4105.41,3838.6 C89.1@4105.41,3811.96
AR_1V8: C55.1 C56.1 C57.1 C58.1 C59.1 C60.1 C61.1 C62.1 C63.1 C64.1 C65.1 C66.1 C67.1 C68.1 C73.2 C112.1 L11.2 U2.A12 U2.B1 U2.C11 U2.C15 U2.C18 U2.F1 U2.K1 U2.M16 U2.M17 U2.M18 U2.U2 U2.V11 | length 635.6
  Top Layer w12: v1(3773.02,3920.65) U2.C18@3788.76,3936.4 ; v1(3773.02,4235.62) U2.M18@3788.76,4219.87 ; v1(3804.51,4235.62) U2.M17@3820.26,4219.87 v1(3836.01,4235.62) U2.M16@3851.76,4219.87 ; U2.C15@3883.25,3936.4 v1(3899,3920.65) ; v1(3961.99,3889.16) U2.A12@3977.74,3873.41 ; v1(3993.49,3920.66) U2.C11@4009.24,3936.4 ; U2.V11@4009.24,4408.84 v1(4024.98,4393.1) ; v1(4276.95,4361.6) U2.U2@4292.7,4377.35 ; v1(4308.45,4015.14) U2.F1@4324.2,4030.89 ; v1(4308.45,4141.13) U2.K1@4324.2,4156.88
  Top Layer w15: C58.1@3705.86,4218.19 3724.1,4218.19 v1(3741.52,4235.62) ; C57.1@3705.86,4257.19 3751.44,4257.19 v1(3773.02,4235.62) ; C68.1@3713.57,3924.11 3738.07,3924.11 v1(3741.52,3920.65) v1(3773.02,3920.65) ; v1(4308.45,3920.65) U2.B1@4324.2,3904.91
  Bottom Layer w10: C61.1@4018.33,4361.9 4024.98,4368.55 v1(4024.98,4393.1) ; v1(4276.95,4361.6) 4303.38,4388.02 C56.1@4303.38,4418.18 ; v1(4308.45,4141.13) v1@4309.75,4142.43
  Bottom Layer w12: C63.1@3954.76,3856.83 3954.76,3881.92 v1(3961.99,3889.16)
  Bottom Layer w15: C56.1@4303.38,4418.18 C56.1@4304.26,4419.07 ; v1@4309.75,4142.43 C60.1@4309.75,4168.77
  other v1: 3175.57,3642.06 3209.12,3642.06 3175.57,3676.64 3209.12,3676.64
AR_BSS_LOGGER: RA1.4 U2.D3 | length 1457.8
  Top Layer w6.7: v1(4245.46,3983.65) U2.D3@4261.2,3967.9 ; v1(4711.71,3963.9) 4728.31,3980.49 4728.31,4021.77 4696.67,4053.41 4635.8,4053.41 4620.6,4068.61 4620.6,4390.98 4579.49,4432.09 4579.49,4491.76 4557.8,4513.46 4557.8,4563.91 4594.61,4600.72 4725.6,4600.72 v1(4725.75,4600.58)
  Sig2 w4.5: v1(4245.46,3983.65) 4250.76,3988.95 4256.7,3988.95 4267.15,3999.4 4350.75,3999.4 4358.91,3991.23
  Sig2 w5.95: 4358.91,3991.23 4382.26,3967.89 4438.09,3967.89 4487.48,3918.5 4569.04,3918.5 4597.24,3946.7 4694.51,3946.7 v1(4711.71,3963.9)
  Bottom Layer w6.7: RA1.4@4711.71,4600.58 v1(4725.75,4600.58)
AR_CS1: R9.2 R139.2 U2.C2 | length 3317
  Top Layer w6.7: v1(4276.95,3920.66) U2.C2@4292.7,3936.4 ; v1(6715.81,4184) 6794.11,4184 6824.81,4214.7 R139.2@6824.81,4242.98
  Sig1 w4.5: v1(4276.95,3920.66) 4292.55,3936.25 ; 4292.57,3936.4 4359.48,3936.4 4367.2,3928.68
  Sig1 w5.95: 4367.2,3928.68 4372.68,3923.2 4372.68,3852.89 4427.56,3798 4600.39,3798 v1(4615.19,3783.2)
  Sig2 w5.95: v1(4615.19,3783.2) 4615.19,3808.93 4697.19,3890.93 5068.04,3890.93 5188.57,3770.4 5188.57,3724.39 5208.81,3704.15 5722.57,3704.15 5771.73,3753.31 5862.89,3753.31 5920.43,3695.78 6235.45,3695.78 6261.24,3721.57 6261.24,3778.92 6358.17,3875.85 6394.55,3875.85 6416.88,3898.18 6481.96,3898.18 6504.38,3875.76 6544.85,3875.76 6579.54,3910.44 6579.54,4054.9 6623.31,4098.68 6623.31,4121.75 6640.56,4138.99 6677.31,4138.99 6715.81,4177.5 v1(6715.81,4184)
  Bottom Layer w6.7: R9.2@4250.53,3911.55 4267.85,3911.55 v1(4276.95,3920.66)
AR_CS1_60PIN: R150.2 RA3.1 U11.3 | length 3577.1
  Top Layer w6.7: v1@6639.79,4111.11 6655.07,4095.82 U11.3@6655.07,4054.07
  Sig1 w5.95: v1(4512.23,4039.9) 4572.79,4039.9 4734.57,3878.13 4943.97,3878.13 4955.07,3889.24 5022.69,3889.24 5038.76,3873.16 5087.38,3873.16 5105.13,3855.41 5376.27,3855.41 5403.06,3828.62 5468.8,3828.62 5636.32,3996.14 5795.11,3996.14 5836.32,3954.93 5891.16,3954.93 6070.18,3775.91 6138.83,3775.91 6167.52,3804.59 6167.52,3837.84 6157.87,3847.49 6156.34,3847.49 6086.26,3917.56 6086.26,4017.07 6078.05,4025.28 6078.05,4054.78 6086.26,4062.99 6086.26,4092.5 6108.35,4114.59 6108.35,4155.16 6062.88,4200.64 6062.88,4220.16 6069.96,4227.25 6087.72,4227.25 6109.66,4249.18 6109.66,4313.09 6127.8,4331.24 6171.18,4331.24 v1(6186.75,4315.67) 6200.65,4301.78 6200.65,4115.91 6222.76,4093.79 6494.18,4093.79 6525.34,4124.95 6581.02,4124.95 6594.86,4111.11 v1@6639.79,4111.11
  Bottom Layer w6.7: v1(4512.23,4039.9) 4513.87,4039.9 4517.57,4043.61 RA3.1@4535.95,4043.61 ; R150.2@6126.41,4381.76 6126.41,4414.59 6136.18,4424.36 6164.48,4424.36 6174.21,4414.64 6174.21,4330.28 6186.75,4317.73 v1(6186.75,4315.67)
  other v1: 6639.79,4107.91
AR_CS1_BT: R105.2 U8.30 | length 1081.1
  Top Layer w6.7: v1(6333.54,3949.8) U8.30@6333.54,3977.25 ; v1(6668.81,3971.01) 6675.01,3977.22 R105.2@6675.01,3997.34
  Sig1 w5.95: v1(6333.54,3949.8) 6360.37,3976.64 6650.73,3976.64 6703.16,4029.07 6717.11,4029.07 6740.89,4005.29 6740.89,3951.61 6768.42,3924.08 6821.79,3924.08 6869.97,3972.26 6897.81,3972.26 6912.48,3957.59 6912.48,3951.77 6905.1,3944.39 6884.07,3944.39 6825.56,3885.88 6770.99,3885.88 6685.86,3971.01 v1(6668.81,3971.01)